# Altium PCB PCB_CONTROL.PcbDoc (part 2 of 2)
Units mm, origin at the board's own origin, x right, y up, seen from the top; angles counter-clockwise.
Board outline 130 x 100 mm, 4 copper layers (Top Layer (PWR), Layer 1 (GND), Layer 2 (SIGN), Bottom Layer (GND)), stack 1.5 mm thick; 170 components, 141 nets, 620 pads, 299 vias.
Unrouted connection lines stored in the file: 5.
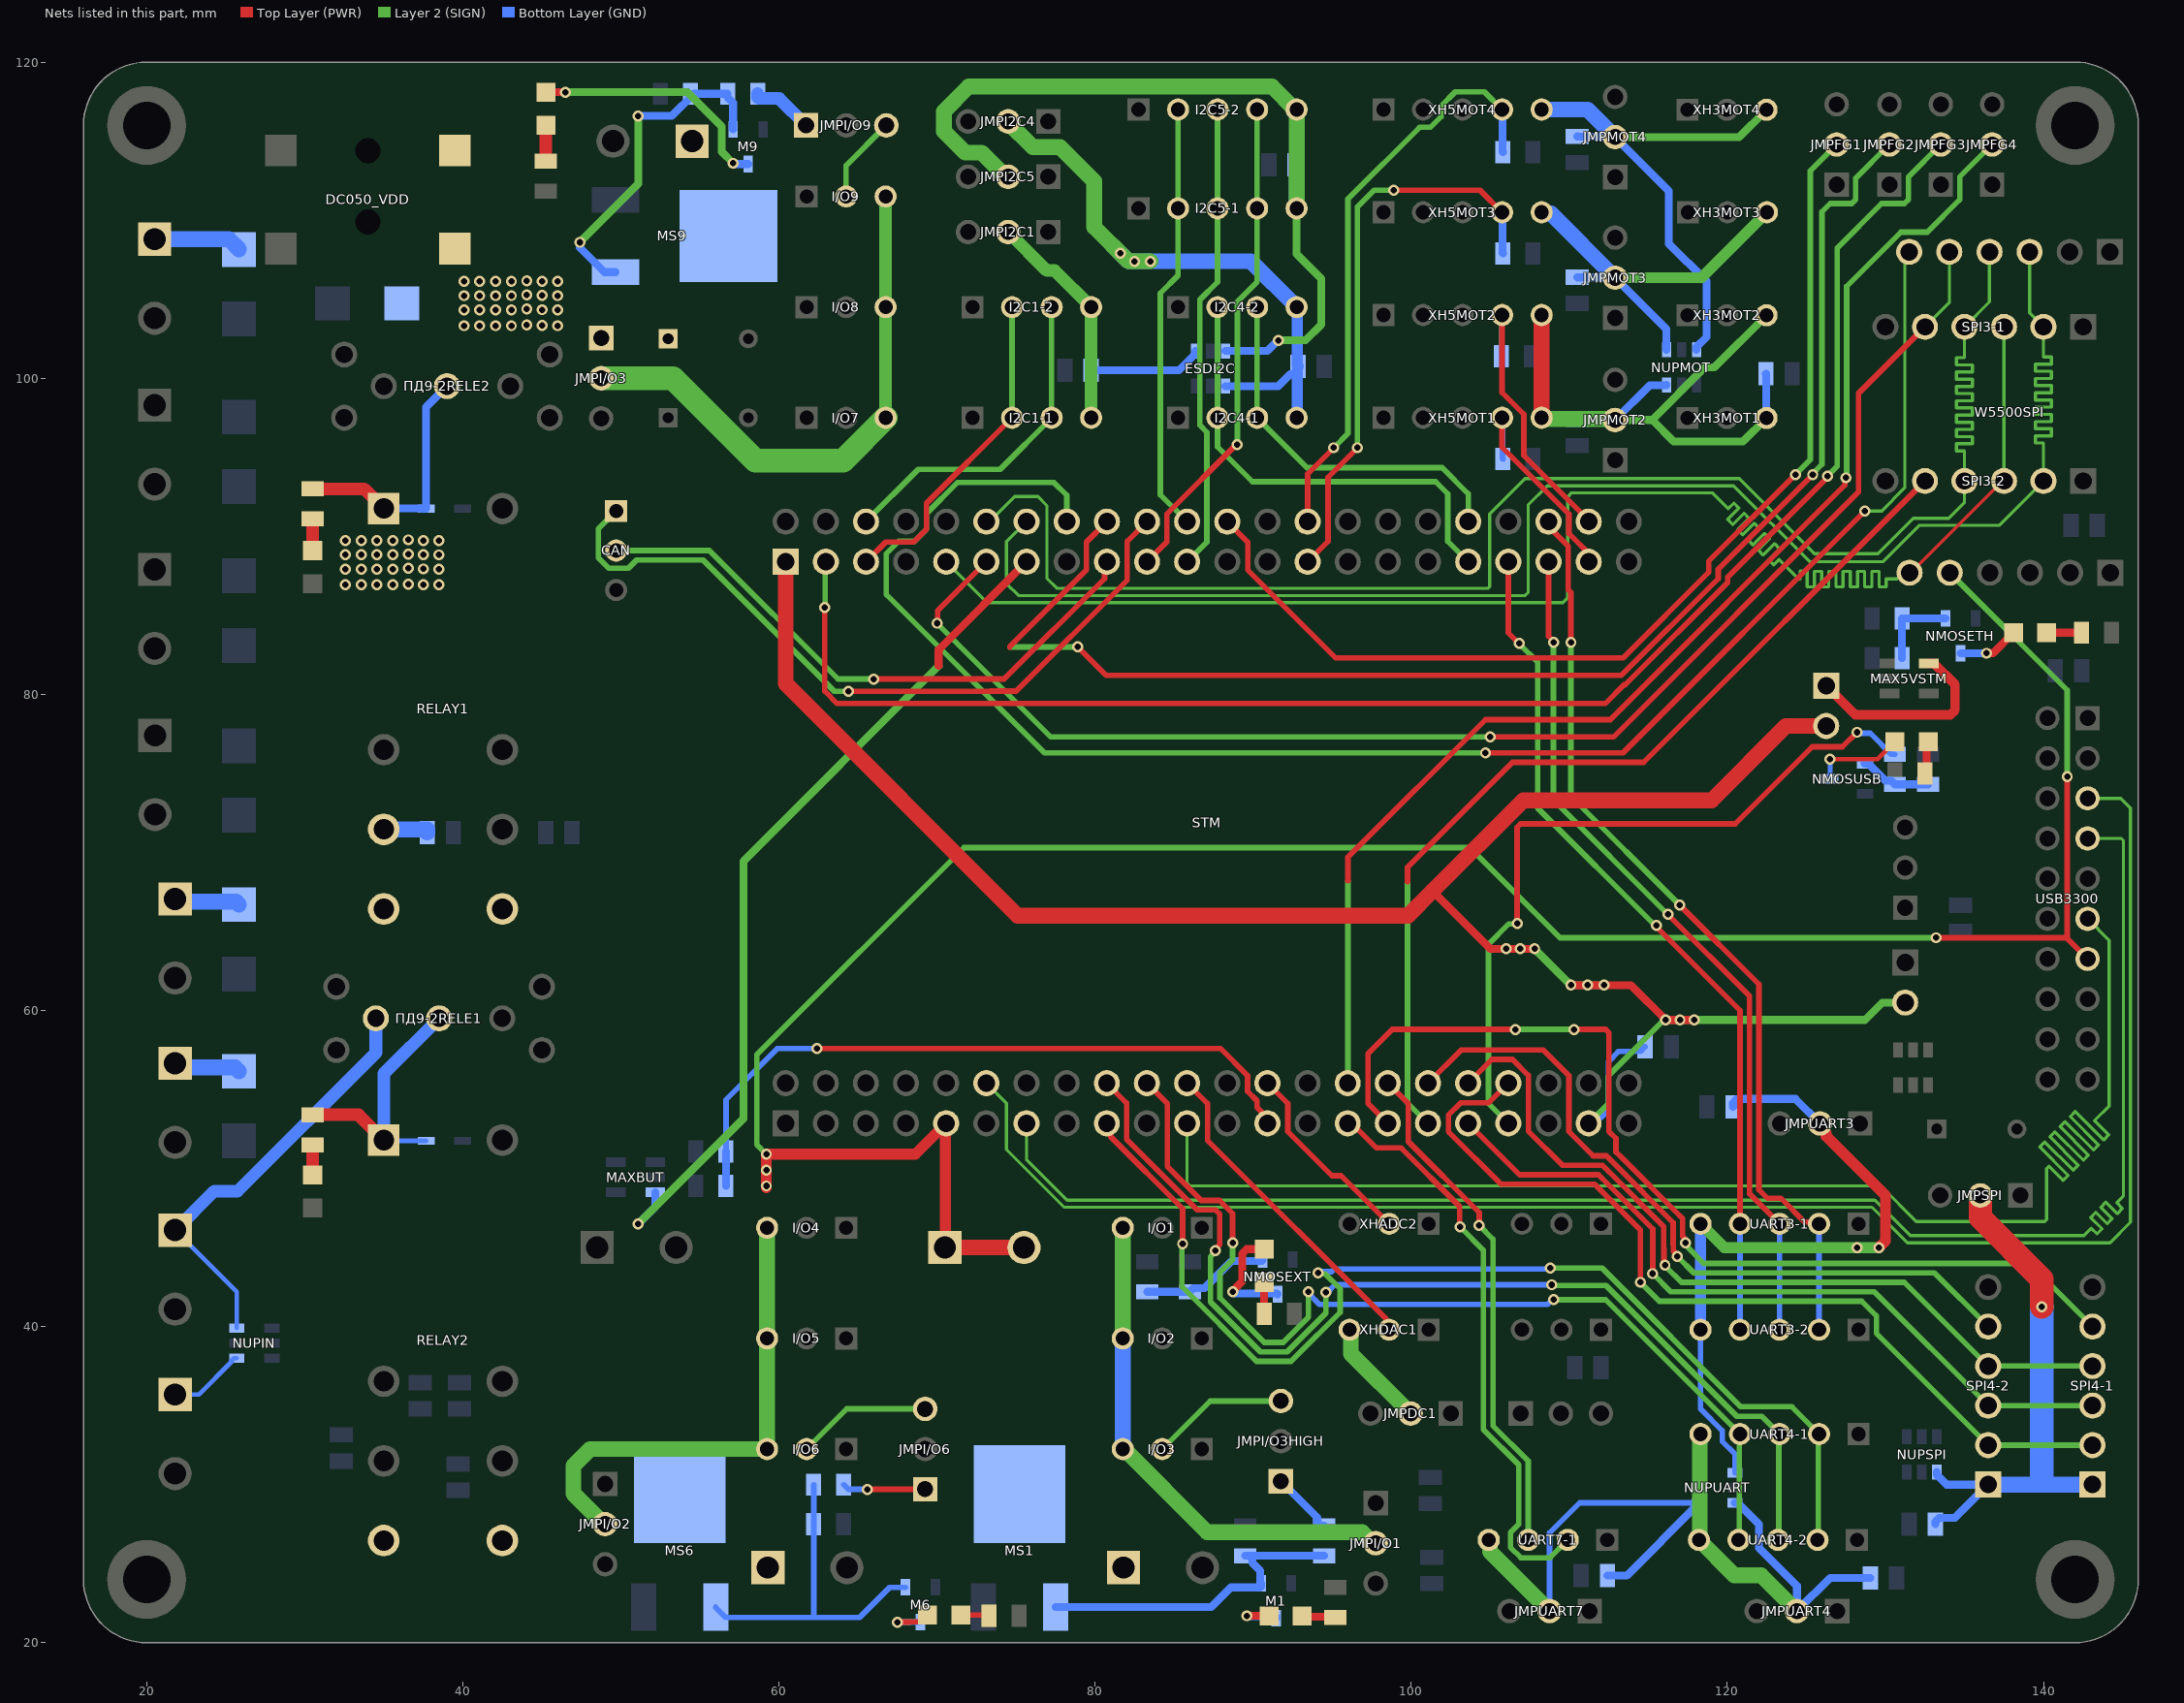
[diagram p4: the nets of this part, all layers, seen from the top]

## Via types
v1: diameter 0.7, hole 0.4, Top Layer (PWR) to Bottom Layer (GND), 299 vias

## Nets (pads, with @x,y where several pads share a name; then routed paths per layer and width w, separated by ;. In a path a pad name is that pad's centre, name@x,y a point inside that pad or via, vN(x,y) a via of type N, cw(c..) or ccw(c..) an arc to the next point about the centre after c; other vN are vias at no path point) (continued)
NetCAPI2C1_2: CAPI2C1.2 ESDI2C.4 I2C1-2.4 I2С1-1.4 JMPI2C1.2 | length 24.4
  Layer 2 (SIGN) w0.8: JMPI2C1.2@74.5,109.25 76.94,106.81 77.44,106.81 I2C1-2.4@79.75,104.5 I2С1-1.4@79.75,97.5
  Bottom Layer (GND) w0.5: CAPI2C1.2@79.75,100.5 85.307,100.5 86.35,101.543 ESDI2C.4@86.35,101.723
  Bottom Layer (GND) w0.8: I2С1-1.4@79.75,97.5 CAPI2C1.2@79.75,100.5
NetCAPI2C4_2: CAPI2C4.2 ESDI2C.1 I2C4-1.4 I2C4-2.4 JMPI2C4.2 | length 39
  Layer 2 (SIGN) w1: JMPI2C4.2@74.5,116.25 74.5,116.179 76.059,114.621 77.78,114.621 79.94,112.461 79.94,109.56 82.1,107.4 v1(83.5,107.4)
  Bottom Layer (GND) w0.5: ESDI2C.1@88.25,99.5 91.59,99.5 92.355,100.265 92.605,100.265 92.795,100.455 92.84,100.5 CAPI2C4.2@92.84,100.75
  Bottom Layer (GND) w0.7: I2C4-1.4@92.75,97.5 92.795,97.545 CAPI2C4.2@92.795,100.455 ; I2C4-2.4@92.75,104.5 92.795,104.455 92.795,100.795 CAPI2C4.2@92.84,100.75
  Bottom Layer (GND) w1: v1(81.6,107.9) 82.1,107.4 v1(83.5,107.4) 89.85,107.4 I2C4-2.4@92.75,104.5
  other v1: 82.5,107.4
NetCAPI2C5_2: CAPI2C5.2 ESDI2C.6 I2C5-1.5 I2C5-2.5 JMPI2C5.2 | length 57.3
  Layer 2 (SIGN) w0.5: v1(91.6,102.4) 91.61,102.41 93.31,102.41 94.3,103.4 94.3,106.305 92.75,107.855 I2C5-1.5@92.75,110.75
  Layer 2 (SIGN) w1: JMPI2C5.2@74.5,112.75 74.351,112.75 72.826,114.275 71.778,114.275 70.435,115.618 70.435,116.882 72.003,118.45 91.192,118.45 92.642,117 I2C5-2.5@92.75,117 I2C5-1.5@92.75,110.75
  Bottom Layer (GND) w0.5: ESDI2C.6@88.25,101.723 90.91,101.723 91.586,102.4 v1(91.6,102.4)
  Bottom Layer (GND) w0.8: CAPI2C5.2@92.75,113.84 I2C5-2.5@92.75,117
  Bottom Layer (GND) w1: I2C5-1.5@92.75,110.75 CAPI2C5.2@92.75,113.84
NetCAPMOT1_1: CAPMOT1.1 CAPMOT2.1 JMPMOT2.2 NUPMOT.6 XH3MOT1.3 XH3MOT2.3 XH5MOT1.5 XH5MOT2.5 | length 41.4
  Top Layer (PWR) w1: XH5MOT1.5@108.25,97.5 XH5MOT2.5@108.25,104
  Layer 2 (SIGN) w0.5: JMPMOT2.2@112.9,97.36 115.242,97.36 ; XH3MOT1.3@122.475,97.486 120.989,96 116.602,96 115.242,97.36 ; XH3MOT2.3@122.475,103.986 119.176,100.687 118.569,100.687 115.242,97.36
  Layer 2 (SIGN) w1: XH5MOT1.5@108.25,97.5 108.32,97.43 112.83,97.43 JMPMOT2.2@112.9,97.36
  Bottom Layer (GND) w0.5: CAPMOT2.1@110.5,97.4 110.52,97.38 112.88,97.38 JMPMOT2.2@112.9,97.36 115.1,99.56 116.133,99.56 NUPMOT.6@116.15,99.577 ; CAPMOT1.1@122.44,100.3 122.457,100.283 122.457,97.503 XH3MOT1.3@122.475,97.486
NetCAPMOT3_1: CAPMOT3.1 JMPMOT3.2 NUPMOT.1 XH3MOT3.3 XH5MOT3.5 | length 26
  Layer 2 (SIGN) w0.7: JMPMOT3.2@112.9,106.36 118.36,106.36 XH3MOT3.3@122.5,110.5
  Bottom Layer (GND) w0.5: CAPMOT3.1@110.5,106.4 110.52,106.38 JMPMOT3.2@112.88,106.38 ; JMPMOT3.2@112.9,106.36 116.15,103.11 NUPMOT.1@116.15,101.8
  Bottom Layer (GND) w1: XH5MOT3.5@108.25,110.5 108.327,110.423 108.837,110.423 112.88,106.38 JMPMOT3.2@112.9,106.36
NetCAPMOT4_1: CAPMOT4.1 JMPMOT4.2 NUPMOT.3 XH3MOT4.3 XH5MOT4.5 | length 34.2
  Layer 2 (SIGN) w0.5: JMPMOT4.2@112.9,115.26 120.749,115.26 XH3MOT4.3@122.475,116.986
  Bottom Layer (GND) w0.5: CAPMOT4.1@110.5,115.3 110.52,115.28 JMPMOT4.2@112.88,115.28 ; JMPMOT4.2@112.9,115.26 116.3,111.86 116.3,108.515 118.675,106.141 118.675,102.605 118.05,101.98 NUPMOT.3@118.05,101.8
  Bottom Layer (GND) w1: XH5MOT4.5@108.25,117 111.16,117 112.88,115.28 JMPMOT4.2@112.9,115.26
NetCAPSPI4_2: CAPSPI4.2 JMPSPI.2 NUPSPI.4 SPI4-1.1 SPI4-2.1 | length 34.1
  Top Layer (PWR) w1.5: JMPSPI.2@136,48.3 136.01,48.29 136.01,46.89 139.9,43 v1(139.9,41.25)
  Bottom Layer (GND) w0.5: CAPSPI4.2@133.16,27.5 133.16,27.66 133.395,27.895 134.395,27.895 SPI4-2.1@136.5,30 133.87,30 133.25,30.62 NUPSPI.4@133.25,30.8
  Bottom Layer (GND) w1: SPI4-2.1@136.5,30 SPI4-1.1@143.1,30
  Bottom Layer (GND) w1.5: 139.9,30.6 v1(139.9,41.25)
NetCAPUART3_2: CAPUART3.2 JMPUART3.2 NUPUART.4 UART3-1.5 UART3-2.5 | length 44.8
  Top Layer (PWR) w0.7: JMPUART3.2@125.86,52.85 125.86,52.62 126.245,52.235 126.245,52.055 130,48.3 130,45.41 v1(129.59,45)
  Layer 2 (SIGN) w0.7: UART3-1.5@118.3,46.5 119.8,45 v1(128.2,45) v1(129.59,45)
  Bottom Layer (GND) w0.35: UART3-2.5@118.3,39.8 118.3,34.791 119.675,33.416 119.675,32.734 120.473,31.936 NUPUART.4@120.473,30.75
  Bottom Layer (GND) w0.5: CAPUART3.2@120.36,53.9 120.36,54.15 120.595,54.385 120.873,54.385 120.888,54.4 124.31,54.4 JMPUART3.2@125.86,52.85
  Bottom Layer (GND) w0.7: UART3-2.5@118.3,39.8 UART3-1.5@118.3,46.5
NetCAPUART4_2: CAPUART4.2 JMPUART4.2 NUPUART.6 UART4-1.5 UART4-2.5 | length 28.9
  Layer 2 (SIGN) w1: UART4-1.5@118.3,33.2 118.25,33.15 118.25,26.55 UART4-2.5@118.2,26.5 120.436,24.264 122.136,24.264 JMPUART4.2@124.4,22
  Bottom Layer (GND) w0.5: NUPUART.6@120.473,28.85 120.653,28.85 122,27.503 122,26.003 124.4,23.603 JMPUART4.2@124.4,22 126.5,24.1 CAPUART4.2@129.04,24.1
NetCAPUART7_2: CAPUART7.2 JMPUART7.2 NUPUART.1 UART7-1.4 | length 29
  Layer 2 (SIGN) w1: UART7-1.4@104.9,26.5 104.977,26.423 104.977,25.773 JMPUART7.2@108.75,22
  Bottom Layer (GND) w0.35: JMPUART7.2@108.75,22 108.75,26.941 110.659,28.85 118.07,28.85 NUPUART.1@118.25,28.85
  Bottom Layer (GND) w0.5: CAPUART7.2@112.41,24.25 113.645,24.25 118.02,28.625 118.02,28.8 NUPUART.1@118.07,28.85
NetDGIN3.3V2_1: DGIN3.3V2.1 NUPIN.4 RELAY2.B3 | length 4.9
  Bottom Layer (GND) w0.3: DGIN3.3V2.1@21.8,35.7 23.3,35.7 25.37,37.77 25.37,37.85 25.52,38 NUPIN.4@25.7,38
NetDGIN5V2_1: DGIN5V2.1 NUPIN.6 RELAY2.A3 ПД9-2RELE1.3 | length 27.3
  Bottom Layer (GND) w0.3: DGIN5V2.1@21.8,46.1 25.7,42.2 NUPIN.6@25.7,39.9
  Bottom Layer (GND) w0.8: DGIN5V2.1@21.8,46.1 24.265,48.565 25.747,48.565 34.5,57.319 ПД9-2RELE1.3@34.5,59.5
NetDGIN12VV2_1: DGIN12VV2.1 ESD12VV.1 RELAY1.B3 | length 4.2
  Bottom Layer (GND) w1: DGIN12VV2.1@21.8,56.65 22.05,56.4 25.587,56.4 ESD12VV.1@25.837,56.15
NetDGVDD2_1: DGVDD2.1 ESDVDD.1 RELAY1.A3 | length 4.2
  Bottom Layer (GND) w1: DGVDD2.1@21.8,67.05 21.975,66.875 25.662,66.875 ESDVDD.1@25.837,66.7
NetDIODRELE1_1: DIODRELE1.1 RELAY1.1 RESRELE1.2 ПД9-2RELE2.1 | length 16
  Top Layer (PWR) w0.8: RESRELE1.2@30.5,93 33.76,93 RELAY1.1@35,91.76
  Bottom Layer (GND) w0.5: RELAY1.1@35,91.76 37.379,91.76 37.389,91.75 DIODRELE1.1@37.676,91.75 37.676,98.176 ПД9-2RELE2.1@39,99.5
NetDIODRELE2_1: DIODRELE2.1 RELAY2.1 RES_RELAY_2.2 ПД9-2RELE1.1 | length 17
  Top Layer (PWR) w0.8: RES_RELAY_2.2@30.5,53.4 33.4,53.4 RELAY2.1@35,51.8
  Bottom Layer (GND) w0.3: RELAY2.1@35,51.8 35.05,51.75 DIODRELE2.1@37.676,51.75
  Bottom Layer (GND) w0.8: RELAY2.1@35,51.8 35,56 ПД9-2RELE1.1@38.5,59.5
NetI/O1_3: I/O1.3 I/O2.3 I/O3.3 JMPI/O1.2 | length 32.5
  Layer 2 (SIGN) w1: I/O3.3@81.75,32.25 81.846,32.25 87.096,27 96.891,27 97.601,26.29 JMPI/O1.2@97.75,26.29 ; I/O2.3@81.75,39.25 I/O1.3@81.75,46.25
  Bottom Layer (GND) w1: I/O3.3@81.75,32.25 I/O2.3@81.75,39.25
NetI/O3_2: I/O3.2 JMPI/O3HIGH.3 | length 8.8
  Layer 2 (SIGN) w0.35: I/O3.2@84.25,32.25 87.29,35.29 JMPI/O3HIGH.3@91.75,35.29
NetI/O4_3: I/O4.3 I/O5.3 I/O6.3 JMPI/O2.2 | length 31.4
  Layer 2 (SIGN) w1: JMPI/O2.2@49,27.5 48.929,27.5 47,29.429 47,31.2 48.05,32.25 I/O6.3@59.25,32.25 I/O5.3@59.25,39.25 I/O4.3@59.25,46.25
  Bottom Layer (GND) w1: JMPI/O2.2@48.929,27.5 JMPI/O2.2@49,27.5 ; I/O6.3@59.173,32.327 I/O6.3@59.25,32.25
NetI/O6_2: I/O6.2 JMPI/O6.3 | length 8.6
  Layer 2 (SIGN) w0.35: I/O6.2@61.75,32.25 64.29,34.79 JMPI/O6.3@69.25,34.79
NetI/O7_3: I/O7.3 I/O8.3 I/O9.3 JMPI/O3.2 | length 35.3
  Layer 2 (SIGN) w0.8: I/O7.3@66.75,97.5 I/O8.3@66.75,104.5 I/O9.3@66.75,111.5
  Layer 2 (SIGN) w1.5: JMPI/O3.2@48.75,100 53.299,100 58.499,94.8 64.05,94.8 I/O7.3@66.75,97.5
NetI/O9_2: I/O9.2 JMPI/O9.3 | length 5.6
  Layer 2 (SIGN) w0.35: I/O9.2@64.25,111.5 64.25,113.46 JMPI/O9.3@66.79,116
NetJMPDC1_2: JMPDC1.2 XHDAC1.3 | length 6.9
  Layer 2 (SIGN) w1: XHDAC1.3@96.1,39.8 96.177,39.723 96.177,38.283 JMPDC1.2@99.96,34.5
NetJMPFG1_2: JMPFG1.2 STM.A15 | length 67.7
  Top Layer (PWR) w0.35: STM.A15@88.365,90.93 89.655,89.64 89.655,87.872 95.227,82.3 113.4,82.3 118.817,87.717 118.817,88.417 v1(124.3,93.9)
  Layer 2 (SIGN) w0.35: v1(124.3,93.9) 125.25,94.85 125.25,113.125 JMPFG1.2@126.915,114.79
NetJMPFG2_2: JMPFG2.2 STM.D2 | length 91.3
  Top Layer (PWR) w0.35: 74.6,83 74.6,83.017 79.455,87.872 79.455,89.64 STM.D2@80.745,90.93 ; v1(78.9,83) 80.7,81.2 113.29,81.2 119.417,87.327 119.417,87.917 v1(125.4,93.9)
  Layer 2 (SIGN) w0.35: 74.6,83 v1(78.9,83) ; v1(125.4,93.9) 125.4,93.96 125.988,94.549 125.988,110.528 126.51,111.05 127.866,111.05 128.115,111.299 128.115,112.655 JMPFG2.2@130.25,114.79
NetJMPI/O3HIGH_1: JMPI/O3HIGH.1 RES1.1 | length 4.1
  Bottom Layer (GND) w0.5: JMPI/O3HIGH.1@91.75,30.21 94.05,27.91 94.05,27.625 94.275,27.4 RES1.1@94.5,27.4
NetJMPI/O6_1: JMPI/O6.1 RES4.1 | length 5.3
  Top Layer (PWR) w0.35: v1(65.6,29.7) 69.24,29.7 JMPI/O6.1@69.25,29.71
  Bottom Layer (GND) w0.35: RES4.1@64.1,30 64.4,29.7 v1(65.6,29.7)
NetJMPI/O9_1: JMPI/O9.1 RES7.1 | length 4
  Bottom Layer (GND) w0.8: RES7.1@58.65,118 58.65,117.775 58.725,117.7 60.01,117.7 JMPI/O9.1@61.71,116
NetJMPSTM5V_1: JMPSTM5V.1 MAX5VSTM.5 | length 12.9
  Top Layer (PWR) w0.6: JMPSTM5V.1@126.25,80.54 128.09,78.7 134.107,78.7 134.4,78.993 134.4,80.625 133.075,81.95 MAX5VSTM.5@132.75,81.95
NetLED3(GREEN)_1: LED3(GREEN).1 M1.3 | length 3.4
  Top Layer (PWR) w0.5: v1(89.6,21.7) 91,21.7
  Bottom Layer (GND) w0.5: v1(89.6,21.7) 89.61,21.69 91.4,21.69 91.45,21.64 M1.3@91.45,21.55
NetLED3(GREEN)_2: LED3(GREEN).2 RES3.1 | length 2.1
  Top Layer (PWR) w0.5: 93.1,21.7 93.15,21.65 95.15,21.65 RES3.1@95.2,21.6
NetLED6(GREEN)_1: LED6(GREEN).1 M6.3 | length 3.5
  Top Layer (PWR) w0.35: v1(67.5,21.3) 68.3,21.3 68.325,21.325 68.975,21.325 69.4,21.75
  Bottom Layer (GND) w0.35: v1(67.5,21.3) M6.3@68.95,21.3
NetLED6(GREEN)_2: LED6(GREEN).2 RES6.1 | length 2
  Top Layer (PWR) w0.35: 71.375,21.875 71.5,21.75 73.25,21.75 RES6.1@73.3,21.7
NetLED9(GREEN)_1: LED9(GREEN).1 M9.3 | length 15.6
  Top Layer (PWR) w0.5: 45.25,118.1 v1(46.5,118.1)
  Layer 2 (SIGN) w0.5: v1(46.5,118.1) 54.207,118.1 56.383,115.924 56.383,114.33 57.1,113.614 v1(57.1,113.6)
  Bottom Layer (GND) w0.5: v1(57.1,113.6) 57.114,113.6 57.164,113.55 M9.3@58.05,113.55
NetLED9(GREEN)_2: LED9(GREEN).2 RES9.1 | length 2.2
  Top Layer (PWR) w0.8: RES9.1@45.25,113.75 45.25,116
NetLEDETH(BLUE)_1: LEDETH(BLUE).1 NMOSETH.3 | length 3.9
  Top Layer (PWR) w0.5: v1(136.4,82.6) 136.41,82.61 136.81,82.61 138.1,83.9
  Bottom Layer (GND) w0.5: NMOSETH.3@134.75,82.6 v1(136.4,82.6)
NetLEDETH(BLUE)_2: LEDETH(BLUE).2 RESETH.1 | length 2.2
  Top Layer (PWR) w0.5: 140.2,83.9 RESETH.1@142.4,83.9
NetLEDEXT(YELLOW)_1: LEDEXT(YELLOW).1 NMOSEXT.3 | length 7.1
  Top Layer (PWR) w0.5: v1(88.7,42.2) 88.7,42.254 89.3,42.854 89.3,44.607 89.593,44.9 90.7,44.9
  Bottom Layer (GND) w0.5: v1(88.7,42.2) 88.754,42.2 88.864,42.09 91.5,42.09 91.54,42.05 NMOSEXT.3@91.55,42.05
NetLEDEXT(YELLOW)_2: LEDEXT(YELLOW).2 RESEXT.1 | length 2
  Top Layer (PWR) w0.5: RESEXT.1@90.7,40.8 90.7,42.8
NetLEDRELE1_2: LEDRELE1.2 RESRELE1.1 | length 2
  Top Layer (PWR) w0.8: LEDRELE1.2@30.5,89.1 RESRELE1.1@30.5,91.1
NetLEDRELE2_2: LEDRELE2.2 RES_RELAY_2.1 | length 1.9
  Top Layer (PWR) w0.8: LEDRELE2.2@30.5,49.6 RES_RELAY_2.1@30.5,51.5
NetLEDUSB(BLUE)_1: LEDUSB(BLUE).1 NMOSUSB.3 | length 5.8
  Top Layer (PWR) w0.3: v1(126.5,75.9) 129.5,75.9 130.6,77
  Bottom Layer (GND) w0.3: NMOSUSB.3@126.5,74.65 v1(126.5,75.9)
NetLEDUSB(BLUE)_2: LEDUSB(BLUE).2 RESUSB.1 | length 2.1
  Top Layer (PWR) w0.5: RESUSB.1@132.5,75 132.6,75.1 132.6,76.9 132.7,77
NetM1_1: M1.1 MS1.1 RES1.2 RES2.1 | length 20.8
  Bottom Layer (GND) w0.5: MS1.1@77.5,22.25 87.35,22.25 88.6,23.5 90.45,23.5 90.5,23.55 M1.1@90.5,23.75 90.45,23.8 90.45,24.55 89.95,25.05 89.95,25.275 RES2.1@89.725,25.5 ; RES2.1@89.5,25.5 RES2.1@89.725,25.5 ; RES1.2@94.5,25.5 RES2.1@89.725,25.5
NetM6_1: M6.1 MS6.1 RES4.2 RES5.1 | length 21.5
  Bottom Layer (GND) w0.35: MS6.1@56,22.25 56,22.225 56.625,21.6 62.2,21.6 ; RES4.2@62.2,30 RES5.1@62.2,27.5 62.2,21.6 ; M6.1@68,23.5 67,23.5 65.1,21.6 62.2,21.6
NetM9_1: M9.1 MS9.1 RES7.2 RES8.1 | length 21.4
  Layer 2 (SIGN) w0.5: v1(47.4,108.6) 51.1,112.3 v1(51.1,116.6)
  Bottom Layer (GND) w0.5: v1(47.4,108.6) 47.41,108.59 47.41,108.266 48.961,106.715 MS9.1@49.661,106.715 ; v1(51.1,116.6) 53.225,116.6 54.625,118 RES7.2@56.75,118 56.75,117.775 57.1,117.425 M9.1@57.1,115.75
NetMS1_2: MS1.2 OUT3.1
NetMS6_2: MS6.2 OUT6.1
NetMS9_2: MS9.2 OUT9.1
NetNMOSETH_1: NMOSETH.1 RESG3.2 RESG4.2 | length 5.3
  Bottom Layer (GND) w0.5: RESG4.2@131.05,82.3 RESG3.2@131.05,84.8 NMOSETH.1@133.8,84.8
NetNMOSEXT_1: NMOSEXT.1 RESG5.2 RESG6.2 | length 8.2
  Bottom Layer (GND) w0.5: RESG5.2@83.3,42.2 RESG6.2@86,42.2 86.225,42.425 86.925,42.425 88.646,44.146 90.55,44.146 90.6,44.196 NMOSEXT.1@90.6,44.25
NetNMOSUSB_1: NMOSUSB.1 RESG1.2 RESG2.2 | length 4.5
  Bottom Layer (GND) w0.5: NMOSUSB.1@128.7,75.6 128.925,75.6 130,74.525 130.375,74.525 RESG1.2@130.6,74.3 RESG2.2@132.7,74.3
NetSPI4-1_3: SPI4-1.3 SPI4-2.3 STM.E13 | length 48.6
  Top Layer (PWR) w0.35: STM.E13@103.6,52.86 106.857,49.603 111.851,49.603 112.027,49.427 115.275,46.179 v1(115.275,43.349)
  Layer 2 (SIGN) w0.35: v1(115.275,43.349) 116.424,42.2 129.3,42.2 SPI4-2.3@136.5,35 SPI4-1.3@143.1,35
NetSPI4-1_5: SPI4-1.5 STM.E9 | length 64.2
  Top Layer (PWR) w0.35: STM.E9@98.52,52.86 97.27,54.11 97.27,57.265 98.805,58.8 v1(106.6,58.8) ; v1(110.3,58.8) 112.305,58.8 112.51,58.595 112.51,52.342 112.949,51.904 112.949,51.051 113.3,50.7 117,47 117.175,46.825 117.175,45.704 117.283,45.596 117.283,45.368 v1(117.35,45.301)
  Layer 2 (SIGN) w0.35: v1(106.6,58.8) v1(110.3,58.8) ; v1(117.35,45.301) 117.35,45.206 117.5,45.056 117.5,45 118.5,44 139.1,44 SPI4-1.5@143.1,40
NetSTM_A4: STM.A4 XHDAC1.2 | length 20.9
  Top Layer (PWR) w0.35: STM.A4@85.82,55.4 87.11,54.11 87.11,51.79 98.399,40.501 98.399,40.001 XHDAC1.2@98.6,39.8
NetSTM_C4: STM.C4 XHADC2.2 | length 12.4
  Top Layer (PWR) w0.35: STM.C4@90.9,55.4 92.19,54.11 92.19,52.342 94.991,49.542 95.558,49.542 XHADC2.2@98.6,46.5
NetSTM_D8: STM.D8 UART3-1.3 UART3-2.3 | length 54.6
  Top Layer (PWR) w0.35: STM.D8@108.685,88.39 108.685,83.669 109,83.354 v1(109,83.3) ; v1(116.24,66.08) 121.4,60.92 121.4,48.4 UART3-1.3@123.3,46.5
  Layer 2 (SIGN) w0.35: v1(109,83.3) 109,73.32 v1(116.24,66.08)
  Bottom Layer (GND) w0.35: UART3-2.3@123.3,39.8 UART3-1.3@123.3,46.5
NetSTM_D9: STM.D9 UART3-1.2 UART3-2.2 | length 59.2
  Top Layer (PWR) w0.35: STM.D9@108.685,90.93 108.685,90.615 109.935,89.365 109.935,86.62 110.1,86.455 v1(110.1,83.3) ; v1(116.986,66.668) 122,61.654 122,48.649 122.524,48.124 123.376,48.124 124.884,46.616 125.684,46.616 UART3-1.2@125.8,46.5
  Layer 2 (SIGN) w0.35: v1(110.1,83.3) 110.1,73.554 v1(116.986,66.668)
  Bottom Layer (GND) w0.35: UART3-2.2@125.8,39.8 UART3-1.2@125.8,46.5
NetSTM_D10: STM.D10 UART3-1.4 UART3-2.4 | length 54.7
  Top Layer (PWR) w0.35: STM.D10@106.145,88.39 106.145,83.894 v1(106.822,83.217) ; v1(115.5,65.375) 115.5,65.3 120.8,60 UART3-1.4@120.8,46.5
  Layer 2 (SIGN) w0.35: v1(106.822,83.217) 108,82.039 108,72.8 115.425,65.375 v1(115.5,65.375)
  Bottom Layer (GND) w0.35: UART3-2.4@120.8,39.8 UART3-1.4@120.8,46.5
NetSTM_E7: STM.E7 UART7-1.2 | length 37
  Top Layer (PWR) w0.35: STM.E7@95.98,52.86 96.24,52.86 97.8,51.3 99.363,51.3 103.062,47.601 103.062,46.338 v1(103.1,46.3)
  Layer 2 (SIGN) w0.35: v1(103.1,46.3) 104.569,44.831 104.569,33.483 106.8,31.251 106.8,27.491 106.275,26.966 106.275,26.034 106.934,25.375 108.775,25.375 UART7-1.2@109.9,26.5
NetSTM_E8: STM.E8 UART7-1.3 | length 32.6
  Top Layer (PWR) w0.35: STM.E8@98.52,55.4 99.81,54.11 99.81,51.701 104.3,47.211 v1(104.3,46.4)
  Layer 2 (SIGN) w0.35: v1(104.3,46.4) 105.169,45.531 105.169,33.731 107.4,31.5 UART7-1.3@107.4,26.5
NXT: STM.C3 USB3300.NXT | length 104.6
  Layer 2 (SIGN) w0.2: STM.C3@75.66,52.86 75.66,50.576 78.236,48 129.331,48 131.581,45.75 142.55,45.75 142.637,45.837 143.024,46.224 143.383,45.865 143.704,46.186 142.986,46.904 143.307,47.225 144.025,46.507 144.346,46.828 143.628,47.546 143.949,47.867 144.667,47.149 144.988,47.47 144.629,47.829 144.7,47.9 145.05,48.25 145.05,70.763 144.933,70.88 USB3300.NXT@142.79,70.88
PA0: STM.A0 UART4-1.3 UART4-2.3 | length 68.2
  Top Layer (PWR) w0.35: STM.A0@80.74,55.4 81.99,54.15 81.99,51.859 86.474,47.375 87.626,47.375 87.875,47.126 87.875,45.17 87.6,44.895 v1(87.6,44.8)
  Layer 2 (SIGN) w0.35: v1(87.6,44.8) 87.6,44.72 87.3,44.42 87.3,41.562 90.462,38.4 92.149,38.4 94.6,40.851 v1(94.6,42.175) ; v1(108.895,42.644) 108.939,42.6 112.325,42.6 120.6,34.325 122.175,34.325 UART4-1.3@123.3,33.2 123.25,33.15 123.25,26.55 UART4-2.3@123.2,26.5
  Bottom Layer (GND) w0.35: v1(94.6,42.175) 94.695,42.175 95.164,42.644 v1(108.895,42.644)
PA1: STM.A1 UART4-1.2 UART4-2.2 | length 71.8
  Top Layer (PWR) w0.35: STM.A1@80.74,52.86 80.989,52.611 80.989,52.011 85.538,47.462 v1(85.538,45.238)
  Layer 2 (SIGN) w0.35: v1(85.538,45.238) 85.5,45.2 85.5,42.513 90.213,37.8 92.397,37.8 92.573,37.976 92.749,38.151 95.5,40.903 95.5,42.396 94.558,43.338 94.168,43.338 v1(94.101,43.405) ; v1(108.8,43.7) 112.074,43.7 120.849,34.925 124.075,34.925 UART4-1.2@125.8,33.2 125.75,33.15 125.75,26.55 UART4-2.2@125.7,26.5
  Bottom Layer (GND) w0.35: v1(94.101,43.405) 94.168,43.472 94.973,43.472 95.151,43.65 108.75,43.65 v1(108.8,43.7)
PA2: STM.A2 UART4-1.4 UART4-2.4 | length 64
  Top Layer (PWR) w0.35: STM.A2@83.28,55.4 84.57,54.11 84.57,50.127 86.722,47.975 87.875,47.975 88.7,47.15 v1(88.7,45.3)
  Layer 2 (SIGN) w0.35: v1(88.7,45.3) 88.7,44.228 87.9,43.428 87.9,41.81 90.71,39 91.9,39 93.5,40.6 v1(93.5,42.2) ; v1(109,41.7) 112.3,41.7 UART4-1.4@120.8,33.2 120.75,33.15 120.75,26.55 UART4-2.4@120.7,26.5
  Bottom Layer (GND) w0.35: v1(93.5,42.2) 93.5,42.105 93.937,41.668 93.937,41.647 94.185,41.4 108.62,41.4 108.92,41.7 v1(109,41.7)
PA5: STM.A5 USB3300.CLKOUT | length 103.3
  Layer 2 (SIGN) w0.2: STM.A5@85.82,52.86 85.82,49.08 86,48.9 129.704,48.9 131.954,46.65 140.083,46.65 140.2,46.767 140.2,50 140.34,50.14 141.238,49.242 141.559,49.563 139.763,51.359 140.084,51.68 141.88,49.884 142.201,50.205 140.405,52.001 140.726,52.322 142.522,50.526 142.843,50.847 141.047,52.643 141.368,52.964 143.164,51.168 143.485,51.489 141.689,53.285 142.01,53.606 143.806,51.81 144.127,52.131 143.229,53.029 143.3,53.1 144.15,53.95 144.15,64.44 USB3300.CLKOUT@142.79,65.8